# Altium PCB foxbms2-master.PcbDoc (part 7 of 11) (continued)
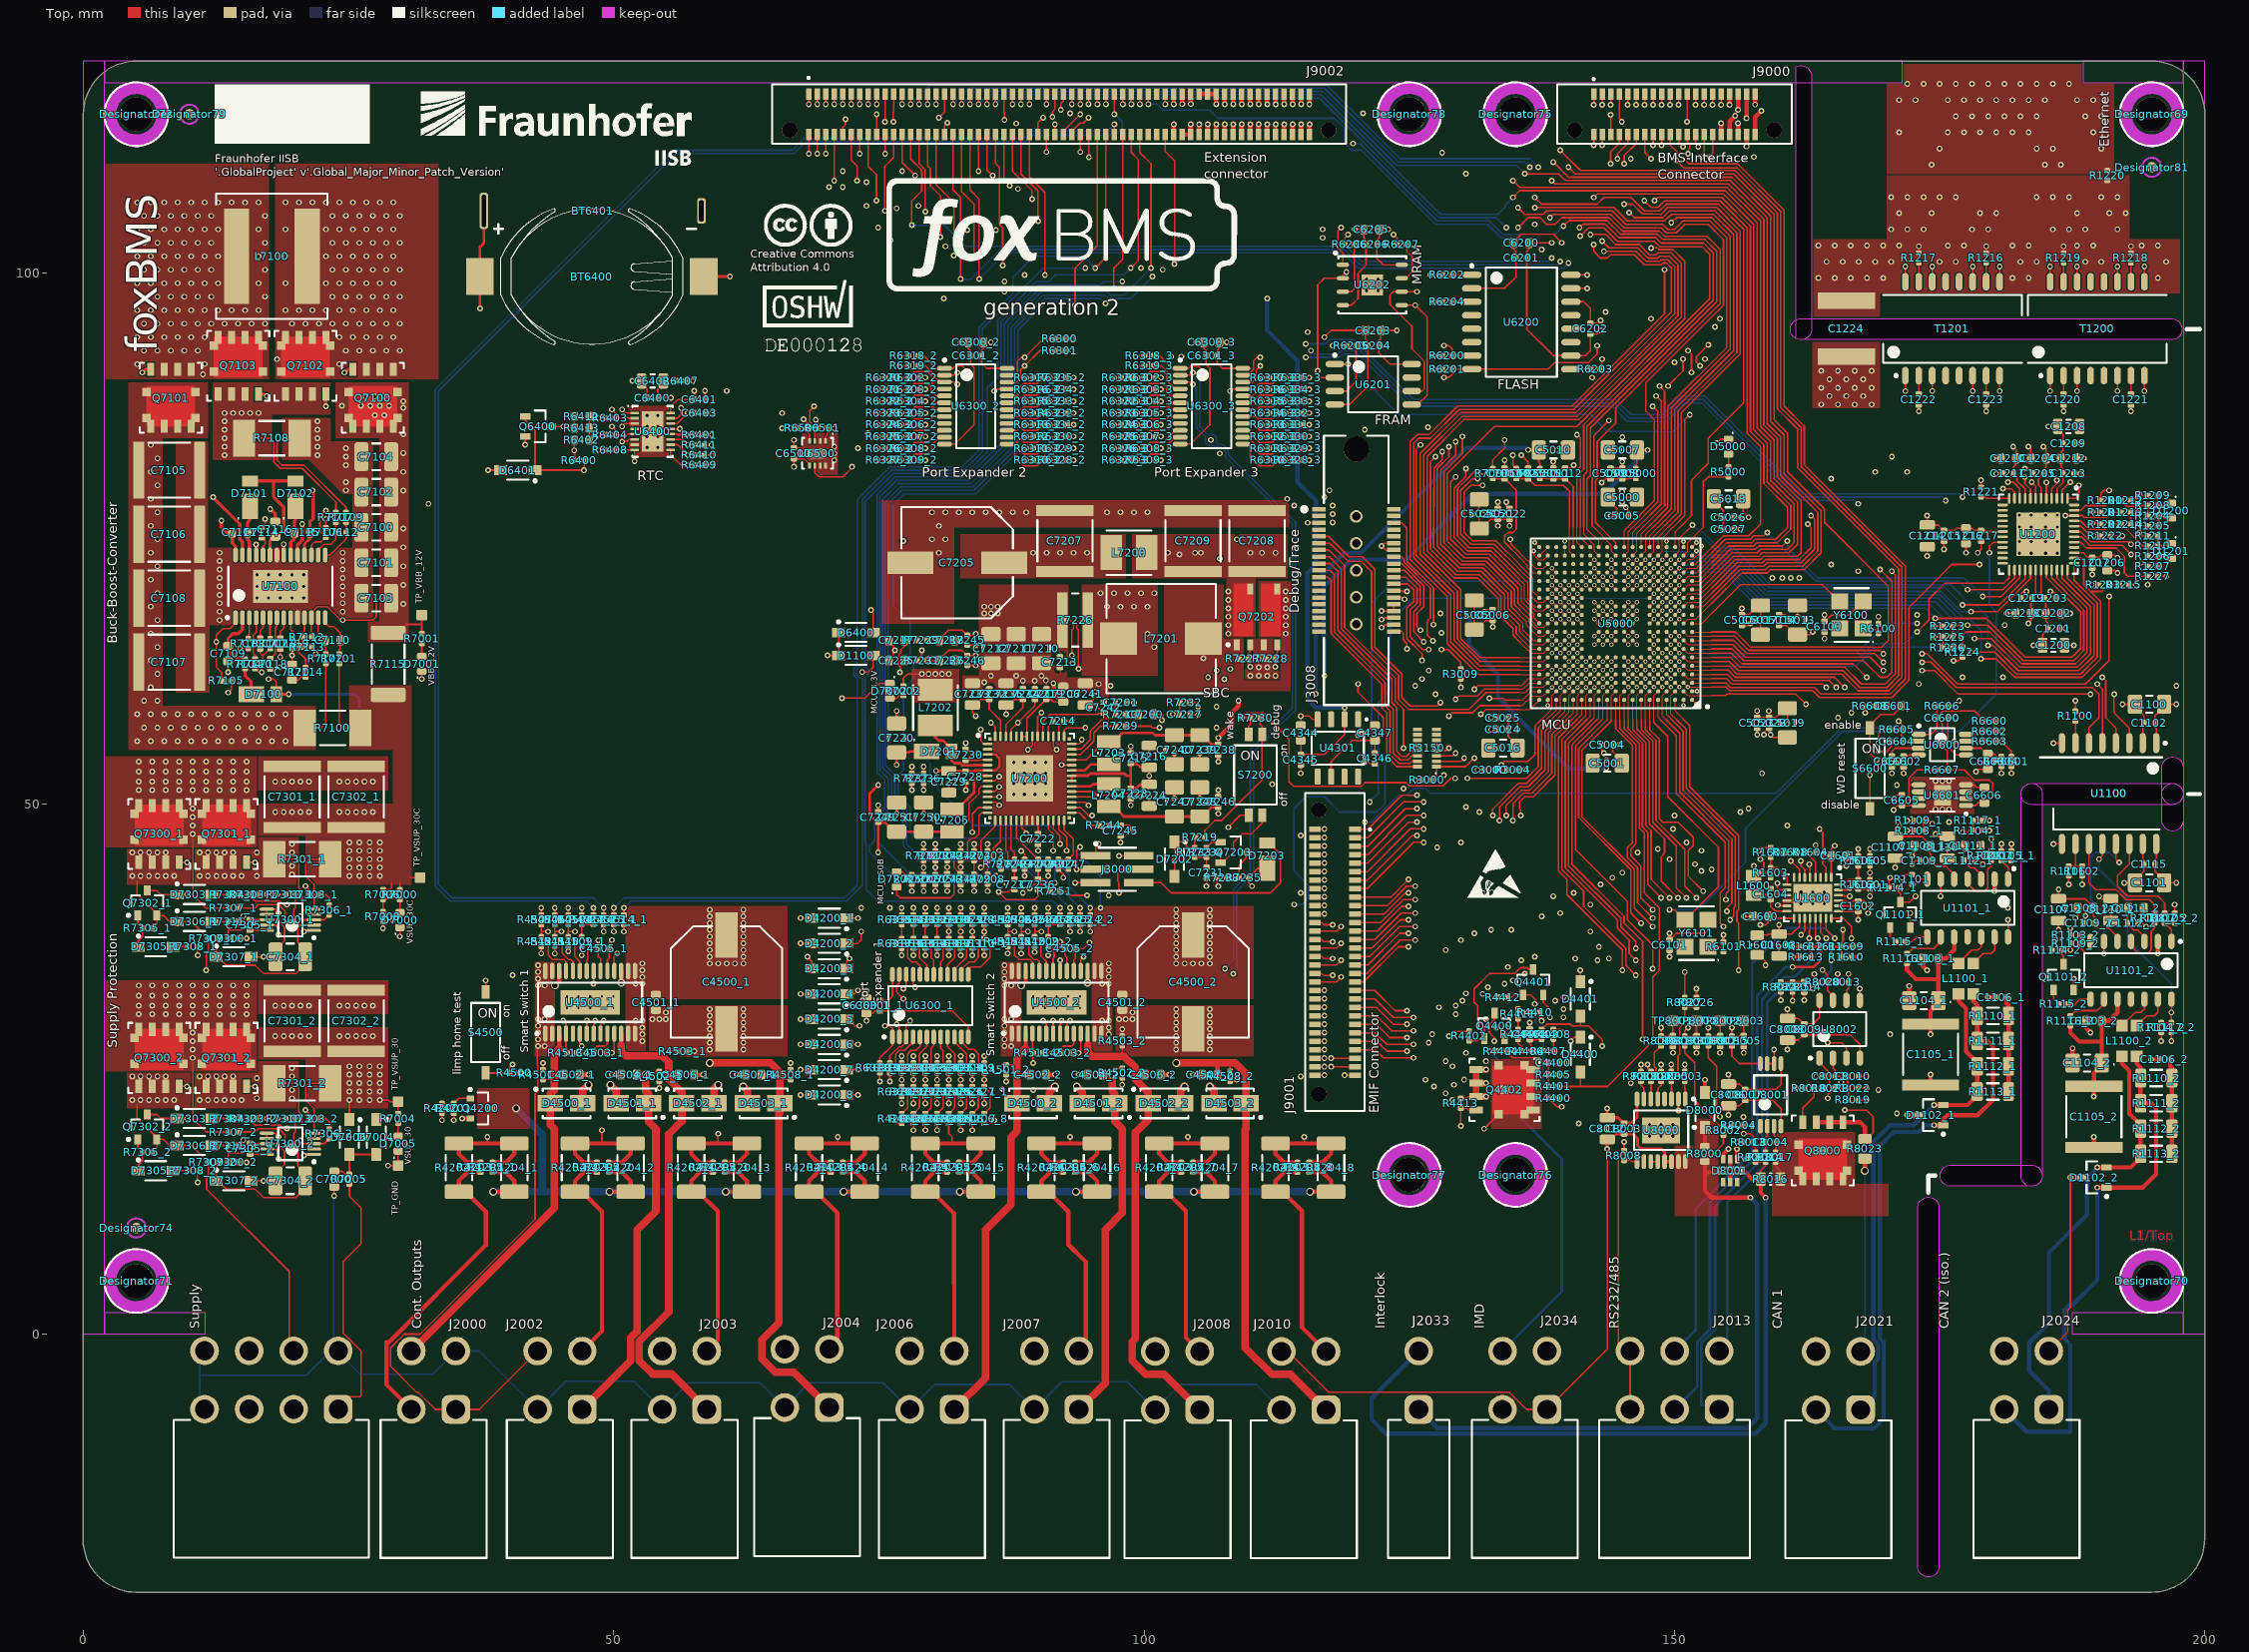
[diagram p0: Top view]
## Nets (pads, with @x,y where several pads share a name; then routed paths per layer and width w, separated by ;. In a path a pad name is that pad's centre, name@x,y a point inside that pad or via, vN(x,y) a via of type N, cw(c..) or ccw(c..) an arc to the next point about the centre after c; other vN are vias at no path point) (continued)
MCU_EMIF.ADDR14: J9001.31 U5000.C12 | length 41.8
  Top w0.102: v4(142.463,60.96) 142.463,60.992 U5000.C12@142.863,61.392
  Top w0.152: J9001.31@119.9,35.6 121.266,35.6 124.084,38.417 v1(125.565,38.417)
  Int3 (Sig) w0.152: v1(125.565,38.417) 132.398,38.417 v1(132.715,38.1)
  Int1 (Sig) w0.102: v4(142.463,60.96) 142.463,60.261 142.716,60.008 142.716,57.944
  Int1 (Sig) w0.152: v1(132.715,38.1) 132.715,38.735 135.414,41.434 135.414,43.18 142.716,50.482 142.716,57.944
MCU_EMIF.ADDR15: J9001.32 U5000.C13 | length 50.9
  Top w0.102: v4(141.663,60.96) 141.663,60.992 U5000.C13@142.062,61.392
  Top w0.152: J9001.32@116.1,35.6 116.752,35.6 116.95,35.401 v1(117.792,35.401)
  Int3 (Sig) w0.152: v1(117.792,35.401) 118.269,35.877 120.015,35.877 123.825,32.067 130.314,32.067 v1(130.353,32.106)
  Int1 (Sig) w0.102: v4(141.663,60.96) 141.663,60.109 142.081,59.69 142.081,57.944
  Int1 (Sig) w0.152: v1(130.353,32.106) 130.295,32.106 130.016,32.385 130.016,34.449 131.762,36.195 131.762,38.735 134.779,41.751 134.779,43.497 142.081,50.8 142.081,57.944
MCU_EMIF.ADDR16: J9001.33 U5000.D14 | length 41.8
  Top w0.102: v4(140.863,61.793) U5000.D14@141.263,62.192
  Top w0.152: J9001.33@119.9,34.8 121.107,34.8 124.09,37.782 v1(124.936,37.782)
  Int3 (Sig) w0.152: v1(124.936,37.782) v1(131.127,37.782)
  Int1 (Sig) w0.102: v4(140.863,61.793) 141.285,61.37 141.285,60.067 141.764,59.589 141.764,57.944
  Int1 (Sig) w0.152: v1(131.127,37.782) 131.127,38.576 134.461,41.91 134.461,43.656 141.764,50.959 141.764,57.944
MCU_EMIF.ADDR17: J9001.34 U5000.C14 | length 51
  Top w0.102: v4(140.863,60.96) 140.863,60.992 U5000.C14@141.263,61.392
  Top w0.152: J9001.34@116.1,34.8 118.144,34.8 v1(118.586,35.242)
  Int3 (Sig) w0.152: v1(118.586,35.242) 120.174,35.242 120.616,34.8 123.72,31.813 123.783,31.75 129.699,31.75 v1(130.016,31.432)
  Int1 (Sig) w0.102: v4(140.863,60.96) 140.863,60.115 141.446,59.531 141.446,57.944
  Int1 (Sig) w0.152: v1(130.016,31.432) 129.699,31.75 129.699,34.608 130.493,35.401 130.493,38.417 134.144,42.069 134.144,43.815 141.446,51.117 141.446,57.944
MCU_EMIF.ADDR18: J9001.35 U5000.D15 | length 41.6
  Top w0.102: v4(140.063,61.793) U5000.D15@140.463,62.192
  Top w0.152: J9001.35@119.9,34 120.995,34 124.142,37.148 v1(125.565,37.148)
  Int3 (Sig) w0.152: v1(125.565,37.148) v1(129.857,37.148)
  Int1 (Sig) w0.102: v4(140.063,61.793) 140.485,61.37 140.485,60.016 141.129,59.372 141.129,57.944
  Int1 (Sig) w0.152: v1(129.857,37.148) 129.857,38.259 133.826,42.227 133.826,43.974 141.129,51.276 141.129,57.944
MCU_EMIF.ADDR19: J9001.36 U5000.C15 | length 50.9
  Top w0.102: v4(140.063,60.96) 140.063,60.992 U5000.C15@140.463,61.392
  Top w0.152: J9001.36@116.1,34 116.752,34 116.938,33.814 v1(117.792,33.814)
  Int3 (Sig) w0.152: v1(117.792,33.814) 118.269,34.29 120.65,34.29 120.94,34 123.561,31.496 123.625,31.432 128.905,31.432 v1(129.381,30.956)
  Int1 (Sig) w0.102: v4(140.063,60.96) 140.063,59.962 140.863,59.162 140.863,57.944
  Int1 (Sig) w0.152: v1(129.381,30.956) 129.381,36.512 129.064,36.83 129.064,37.941 133.509,42.386 133.509,44.133 140.863,51.486 140.863,57.944
MCU_EMIF.ADDR20: J9001.37 U5000.C16 | length 41
  Top w0.102: v4(139.263,60.96) 139.263,60.992 U5000.C16@139.663,61.392
  Top w0.152: J9001.37@119.9,33.2 120.671,33.2 123.984,36.512 v1(124.936,36.512)
  Int3 (Sig) w0.152: v1(124.936,36.512) 128.111,36.512 v1(128.429,36.195)
  Int1 (Sig) w0.102: v4(139.263,60.96) 139.263,59.81 140.335,58.737 140.335,57.944
  Int1 (Sig) w0.152: v1(128.429,36.195) 128.111,36.512 128.111,39.688 140.335,51.911 140.335,57.944
MCU_EMIF.ADDR21: J9001.38 U5000.C17 | length 49.5
  Top w0.102: v4(138.463,60.96) 138.463,60.992 U5000.C17@138.863,61.392
  Top w0.152: J9001.38@116.1,33.2 118.131,33.2 v1(118.586,33.655)
  Int3 (Sig) w0.152: v1(118.586,33.655) 120.809,33.655 123.349,31.115 127.476,31.115 v1(127.794,30.797)
  Int1 (Sig) w0.102: v4(138.463,60.96) 138.463,59.696 139.7,58.458 139.7,57.944
  Int1 (Sig) w0.152: v1(127.794,30.797) 127.476,31.115 127.476,40.005 139.7,52.229 139.7,57.944
MCU_EMIF.BA0_1: J9001.39 U5000.E13 | length 49.4
  Top w0.102: v3(141.663,62.593) U5000.E13@142.062,62.993
  Top w0.152: J9001.39@119.9,32.4 121.746,32.4 123.666,30.48 v1(124.777,30.48)
  Int3 (Sig) w0.152: v1(124.777,30.48) 127,30.48 127.317,30.162 v1(129.381,30.162)
  Int1 (Sig) w0.102: v3(141.663,62.593) 142.081,62.174 142.081,60.166 142.399,59.849 142.399,57.944
  Int1 (Sig) w0.152: v1(129.381,30.162) 129.857,30.162 130.969,31.274 130.969,34.925 132.08,36.036 132.08,38.576 135.096,41.593 135.096,43.339 142.399,50.641 142.399,57.944
MCU_EMIF.BA1_1: J9001.40 U5000.D16 | length 59.3
  Top w0.102: v3(139.263,61.793) U5000.D16@139.663,62.192
  Top w0.152: J9001.40@116.1,32.4 v1(116.999,32.4)
  Int3 (Sig) w0.152: v1(116.999,32.4) 124.316,25.082 128.797,25.082 128.956,25.241 v1(129.064,25.241)
  Int1 (Sig) w0.102: v3(139.263,61.793) 139.685,61.37 139.685,59.864 140.609,58.94 140.609,57.944
  Int1 (Sig) w0.152: v1(129.064,25.241) 129.381,25.559 129.381,29.21 128.746,29.845 128.746,34.29 129.006,34.55 129.006,36.411 128.746,36.671 128.746,38.1 133.191,42.545 133.191,44.291 140.609,51.709 140.609,57.944
MCU_EMIF.CKE_1: J9001.41 U5000.L3 | length 68.7
  Top w0.102: U5000.L3@150.063,67.792 v3(150.463,68.192)
  Top w0.152: J9001.41@119.9,31.6 121.753,31.6 123.507,29.845 v1(125.412,29.845)
  Int3 (Sig) w0.152: v1(125.412,29.845) 128.588,29.845 129.064,29.369 130.016,29.369 130.334,29.686 v1(132.239,29.686)
  Int1 (Sig) w0.102: v3(150.463,68.192) 151.283,68.192 153.511,65.964
  Int1 (Sig) w0.152: v1(132.239,29.686) 132.239,30.162 134.144,32.067 135.414,32.067 137.795,34.449 137.795,36.036 141.287,39.529 142.558,39.529 146.844,43.815 150.495,43.815 151.606,44.926 152.876,44.926 153.511,45.561 153.511,56.197 155.099,57.785 155.099,64.376 153.511,65.964
MCU_EMIF.CLK_1: J9001.42 U5000.K3 | length 77.5
  Top w0.102: U5000.K3@150.063,66.992 v3(150.463,67.392)
  Top w0.152: J9001.42@116.1,31.6 v1(116.999,31.6)
  Int3 (Sig) w0.152: v1(116.999,31.6) 123.992,24.606 127.635,24.606 127.794,24.447 129.699,24.447 v1(130.17,23.976)
  Int1 (Sig) w0.102: v3(150.463,67.392) 151.206,67.392 153.511,65.087
  Int1 (Sig) w0.152: v1(130.17,23.976) 130.696,24.502 130.696,25.445 131.286,26.035 131.286,26.987 130.651,27.622 130.651,29.051 133.985,32.385 135.255,32.385 137.477,34.608 137.477,36.195 141.129,39.846 142.399,39.846 146.685,44.133 150.336,44.133 152.876,46.672 152.876,56.515 154.464,58.102 154.464,64.135 153.511,65.087
MCU_EMIF.DATA0: J9001.1 U5000.K15 | length 40.3
  Top w0.102: v3(140.063,67.392) U5000.K15@140.463,66.992
  Top w0.152: J9001.1@119.9,47.6 121.101,47.6 124.301,50.8 v1(125.73,50.8)
  Int3 (Sig) w0.152: v1(125.73,50.8) 130.016,50.8 v1(131.604,49.212)
  Int1 (Sig) w0.102: 139.382,57.944 139.382,58.488 138.063,59.808 138.063,62.726 138.306,62.97 139.329,62.97 139.64,63.281 139.64,65.987 140.063,66.409 v3(140.063,67.392)
  Int1 (Sig) w0.152: v1(131.604,49.212) 131.921,49.53 136.525,49.53 139.382,52.387 139.382,57.944
MCU_EMIF.DATA1: J9001.2 U5000.L15 | length 46.2
  Top w0.102: v3(140.063,68.192) U5000.L15@140.463,67.792
  Top w0.152: J9001.2@116.1,47.6 v1(116.999,47.6)
  Int3 (Sig) w0.152: v1(116.999,47.6) 118.879,45.72 126.623,45.72 127.576,46.672 129.54,46.672 v1(129.857,46.355)
  Int1 (Sig) w0.102: 138.589,57.944 137.636,58.896 137.636,62.953 137.866,63.182 138.589,63.182 138.885,63.479 138.885,66.298 139.685,67.098 139.685,67.815 v3(140.063,68.192)
  Int1 (Sig) w0.152: v1(129.857,46.355) 129.857,48.26 131.445,49.847 136.366,49.847 139.065,52.546 139.065,57.468 138.589,57.944
MCU_EMIF.DATA2: J9001.3 U5000.M15 | length 40.6
  Top w0.102: v3(140.063,68.992) U5000.M15@140.463,68.592
  Top w0.152: J9001.3@119.9,46.8 121.095,46.8 124.46,50.165 v1(126.365,50.165)
  Int3 (Sig) w0.152: v1(126.365,50.165) 129.857,50.165 v1(130.334,49.689)
  Int1 (Sig) w0.102: 138.112,57.944 137.319,58.737 137.319,65.568 138.885,67.134 138.885,68.4 139.065,68.58 139.65,68.58 v3(140.063,68.992)
  Int1 (Sig) w0.152: v1(130.334,49.689) 130.81,50.165 136.207,50.165 138.748,52.705 138.748,57.309 138.112,57.944
MCU_EMIF.DATA3: J9001.4 U5000.N15 | length 48.1
  Top w0.102: v3(140.063,69.792) U5000.N15@140.463,69.393
  Top w0.152: J9001.4@116.1,46.8 v1(116.999,46.8)
  Int3 (Sig) w0.152: v1(116.999,46.8) 118.396,45.402 127.159,45.402 v1(127.635,45.879)
  Int1 (Sig) w0.102: 135.731,57.944 135.731,67.627 138.274,70.17 139.685,70.17 v3(140.063,69.792)
  Int1 (Sig) w0.152: v1(127.635,45.879) 127.635,49.689 129.699,51.752 135.414,51.752 137.16,53.499 137.16,56.356 135.731,57.785 135.731,57.944
MCU_EMIF.DATA4: J9001.5 U5000.E5 | length 48.8
  Top w0.102: U5000.E5@148.462,62.993 v3(148.862,62.593)
  Top w0.152: J9001.5@119.9,46 121.089,46 124.619,49.53 v1(125.73,49.53)
  Int3 (Sig) w0.152: v1(125.73,49.53) 129.54,49.53 130.493,48.578 131.127,48.578 132.08,47.625 148.749,47.625 v1(150.019,48.895)
  Int1 (Sig) w0.102: v3(148.862,62.593) 149.24,62.215 150.034,62.215 150.862,61.386 150.862,60.851 150.336,60.325 150.336,57.944
  Int1 (Sig) w0.152: v1(150.019,48.895) 150.336,49.212 150.336,57.944
MCU_EMIF.DATA5: J9001.6 U5000.F5 | length 54.1
  Top w0.102: U5000.F5@148.462,63.792 v3(148.862,63.392)
  Top w0.152: J9001.6@116.1,46 v1(116.999,46)
  Int3 (Sig) w0.152: v1(116.999,46) 117.914,45.085 146.209,45.085 v1(146.526,45.402)
  Int1 (Sig) w0.102: v3(148.862,63.392) 149.24,63.015 150.574,63.015 151.663,61.926 151.663,58.794 150.812,57.944
  Int1 (Sig) w0.152: v1(146.526,45.402) 149.384,48.26 150.336,48.26 150.654,48.578 150.654,57.785 150.812,57.944
MCU_EMIF.DATA6: J9001.7 U5000.G5 | length 53
  Top w0.102: U5000.G5@148.462,64.592 v3(148.862,64.193)
  Top w0.152: J9001.7@119.9,45.2 121.082,45.2 124.777,48.895 v1(126.365,48.895)
  Int3 (Sig) w0.152: v1(126.365,48.895) 129.699,48.895 130.334,48.26 130.969,48.26 131.921,47.307 148.907,47.307 149.225,47.625 v1(149.86,47.625)
  Int1 (Sig) w0.102: v3(148.862,64.193) 149.24,63.815 150.574,63.815 152.559,61.83 152.559,59.055 151.447,57.944
  Int1 (Sig) w0.152: v1(149.86,47.625) 150.177,47.942 150.495,47.942 150.971,48.419 150.971,57.468 151.447,57.944
MCU_EMIF.DATA7: J9001.8 U5000.K5 | length 62.6
  Top w0.102: U5000.K5@148.462,66.992 v3(148.862,67.392)
  Top w0.152: J9001.8@116.1,45.2 v1(116.999,45.2)
  Int3 (Sig) w0.152: v1(116.999,45.2) 117.431,44.767 v1(149.542,44.767)
  Int1 (Sig) w0.102: v3(148.862,67.392) 149.421,66.834 151.289,66.834 153.511,64.611
  Int1 (Sig) w0.152: v1(149.542,44.767) 150.495,44.767 152.559,46.831 152.559,56.674 154.146,58.261 154.146,63.976 153.511,64.611
MCU_EMIF.DATA8: J9001.9 U5000.L5 | length 64.3
  Top w0.102: U5000.L5@148.462,67.792 v3(148.862,68.192)
  Top w0.152: J9001.9@119.9,44.4 121.076,44.4 124.936,48.26 v1(125.73,48.26)
  Int3 (Sig) w0.152: v1(125.73,48.26) 129.857,48.26 130.175,47.942 130.81,47.942 131.762,46.99 150.019,46.99 150.495,47.466 151.924,47.466 152.559,46.831 v1(152.559,45.561)
  Int1 (Sig) w0.102: v3(148.862,68.192) 149.269,67.786 151.289,67.786 153.511,65.564
  Int1 (Sig) w0.152: v1(152.559,45.561) 153.194,46.196 153.194,56.356 154.781,57.944 154.781,64.294 153.511,65.564
MCU_EMIF.DATA9: J9001.10 U5000.M5 | length 67.1
  Top w0.102: U5000.M5@148.462,68.592 v3(148.862,68.992)
  Top w0.152: J9001.10@116.1,44.4 v1(116.999,44.4)
  Int3 (Sig) w0.152: v1(116.999,44.4) 117.049,44.45 148.907,44.45 149.225,44.133 150.019,44.133 150.177,44.291 v1(151.924,44.291)
  Int1 (Sig) w0.102: v3(148.862,68.992) 149.285,68.57 151.299,68.57 153.511,66.358
  Int1 (Sig) w0.152: v1(151.924,44.291) 152.718,44.291 153.829,45.402 153.829,56.039 155.416,57.626 155.416,64.453 153.511,66.358
MCU_EMIF.DATA10: J9001.11 U5000.N5 | length 69.6
  Top w0.102: U5000.N5@148.462,69.393 v3(148.862,69.792)
  Top w0.152: J9001.11@119.9,43.6 121.07,43.6 125.095,47.625 v1(126.365,47.625)
  Int3 (Sig) w0.152: v1(126.365,47.625) 130.651,47.625 131.604,46.672 150.177,46.672 150.654,47.149 151.377,47.149 151.924,46.602 151.924,45.244 152.559,44.609 v1(152.559,43.656)
  Int1 (Sig) w0.102: v3(148.862,69.792) 149.285,69.37 150.975,69.37 153.511,66.834
  Int1 (Sig) w0.152: v1(152.559,43.656) 154.146,45.244 154.146,55.88 155.734,57.468 155.734,64.611 153.511,66.834
MCU_EMIF.DATA11: J9001.12 U5000.P5 | length 70.7
  Top w0.102: U5000.P5@148.462,70.192 v3(148.862,70.592)
  Top w0.152: J9001.12@116.1,43.6 v1(116.999,43.6)
  Int3 (Sig) w0.152: v1(116.999,43.6) 117.531,44.133 148.749,44.133 149.066,43.815 151.447,43.815 152.241,43.021 152.718,43.021 v1(153.511,43.815)
  Int1 (Sig) w0.102: v3(148.862,70.592) 149.285,70.17 150.81,70.17 153.511,67.469
  Int1 (Sig) w0.152: v1(153.511,43.815) 154.464,44.767 154.464,55.721 156.051,57.309 156.051,64.929 153.511,67.469
MCU_EMIF.DATA12: J9001.13 U5000.R5 | length 64
  Top w0.102: U5000.R5@148.462,70.992 v3(148.862,71.392)
  Top w0.152: J9001.13@119.9,42.8 121.064,42.8 125.254,46.99 v1(125.73,46.99)
  Int3 (Sig) w0.152: v1(125.73,46.99) 126.682,46.99 127,47.307 130.493,47.307 131.445,46.355 v1(151.13,46.355)
  Int1 (Sig) w0.102: v3(148.862,71.392) 148.44,70.97 148.44,66.825 148.749,66.516 151.13,66.516 153.511,64.135 ; 153.352,57.944 153.511,58.102
  Int1 (Sig) w0.152: v1(151.13,46.355) 152.241,47.466 152.241,56.832 153.352,57.944 ; 153.511,58.102 153.829,58.42 153.829,63.817 153.511,64.135
MCU_EMIF.DATA13: J9001.14 U5000.R6 | length 67.2
  Top w0.102: U5000.R6@147.663,70.992 v3(148.063,71.392)
  Top w0.152: J9001.14@116.1,42.8 v1(116.999,42.8)
  Int3 (Sig) w0.152: v1(116.999,42.8) 118.014,43.815 144.78,43.815 v1(145.097,43.497)
  Int1 (Sig) w0.102: v3(148.063,71.392) 147.64,70.97 147.64,66.514 147.955,66.199 150.926,66.199 153.511,63.614 ; 152.876,57.944 153.511,58.579
  Int1 (Sig) w0.152: v1(145.097,43.497) 146.05,44.45 148.431,44.45 151.924,47.942 151.924,56.991 152.876,57.944 ; 153.511,58.579 153.511,63.614
MCU_EMIF.DATA14: J9001.15 U5000.R7 | length 64.8
  Top w0.102: U5000.R7@146.863,70.992 v3(147.262,71.392)
  Top w0.152: J9001.15@119.9,42 121.057,42 125.412,46.355 v1(126.365,46.355)
  Int3 (Sig) w0.152: v1(126.365,46.355) 126.841,46.355 127.476,46.99 130.334,46.99 131.286,46.038 148.114,46.038 v1(148.431,45.72)
  Int1 (Sig) w0.102: v3(147.262,71.392) 146.844,70.974 146.844,65.564 147.002,65.405 150.812,65.405 153.194,63.024 153.194,58.737 152.4,57.944
  Int1 (Sig) w0.152: v1(148.431,45.72) 149.066,46.355 149.86,46.355 151.606,48.101 151.606,57.15 152.4,57.944
MCU_EMIF.DATA15: J9001.16 U5000.R8 | length 68.3
  Top w0.102: U5000.R8@146.063,70.992 v3(146.463,71.392)
  Top w0.152: J9001.16@116.1,42 v1(116.999,42)
  Int3 (Sig) w0.152: v1(116.999,42) 118.496,43.497 143.669,43.497 v1(144.145,43.021)
  Int1 (Sig) w0.102: v3(146.463,71.392) 146.05,70.98 146.05,64.871 146.31,64.611 150.577,64.611 152.876,62.312 152.876,58.896 151.924,57.944
  Int1 (Sig) w0.152: v1(144.145,43.021) 144.145,43.456 145.457,44.767 146.685,44.767 148.59,46.672 149.701,46.672 151.289,48.26 151.289,57.309 151.924,57.944
MCU_EPWM1.A_1: J9002.51 U5000.D9 | length 99.7
  Top w0.102: U5000.D9@145.263,62.192 v3(145.663,61.793)
  Top w0.152: v1(88.4,115.947) J9002.51@88.4,116.9
  Int1 (Sig) w0.102: 140.653,76.041 143.263,73.431 143.263,72.955 143.648,72.57 144.219,72.57 144.621,72.167 144.621,62.834 v3(145.663,61.793)
  Int1 (Sig) w0.152: v1(88.4,115.947) 89.61,117.157 116.681,117.157 123.19,110.649 126.047,110.649 134.62,102.076 134.62,87.154 137.795,83.979 137.795,78.899 140.653,76.041
MCU_EPWM1.B_1: J9002.52 U5000.D10 | length 97.8
  Top w0.102: v3(144.063,61.793) U5000.D10@144.463,62.192
  Top w0.152: J9002.52@88.4,113.1 88.4,109.36 89.997,107.763 89.997,104.948 v1(90.011,104.934)
  Int4 (Sig) w0.102: 135.731,76.041 135.731,64.611 138.139,62.203 143.652,62.203 v3(144.063,61.793)
  Int4 (Sig) w0.152: v1(90.011,104.934) 90.309,105.232 122.892,105.232 132.398,95.726 132.398,81.756 135.731,78.422 135.731,76.041
MCU_ETM.CLKIN_1: R3009.1 U5000.R9 | length 26.6
  Top w0.102: U5000.R9@145.263,70.992 v3(145.663,71.392)
  Top w0.152: v1(128.033,64.533) 128.666,64.533 129.857,63.341 R3009.1@129.857,62.68
  Int3 (Sig) w0.102: 135.414,64.611 136.684,64.611 138.271,66.199 144.145,66.199 144.463,66.516 144.463,70.192 v3(145.663,71.392)
  Int3 (Sig) w0.152: v1(128.033,64.533) 128.033,64.531 128.588,63.976 133.985,63.976 134.62,64.611 135.414,64.611
MCU_ETM.CLKOUT_1: J3008.6 U5000.R10 | length 35.9
  Top w0.102: v3(144.063,71.392) U5000.R10@144.463,70.992
  Top w0.152: J3008.6@123.53,76.48 124.267,76.48 124.777,75.969 124.777,72.866 127.283,70.36 v1(127.283,66.88)
  Int3 (Sig) w0.102: 135.414,64.929 136.684,64.929 138.271,66.516 143.466,66.516 143.669,66.719 143.669,70.999 v3(144.063,71.392)
  Int3 (Sig) w0.152: v1(127.283,66.88) 127.283,66.074 129.064,64.294 133.826,64.294 134.461,64.929 135.414,64.929
MCU_ETM.CTL_1: J3008.36 U5000.R11 | length 28.9
  Top w0.102: v3(143.263,71.392) U5000.R11@143.663,70.992
  Top w0.152: v1(122.396,66.591) 122.427,66.591 122.716,66.88 J3008.36@123.53,66.88
  Int3 (Sig) w0.102: 135.414,65.246 136.525,65.246 138.112,66.834 142.716,66.834 142.875,66.992 142.875,71.005 v3(143.263,71.392)
  Int3 (Sig) w0.152: v1(128.033,66.108) 128.043,66.108 129.54,64.611 133.604,64.611 134.239,65.246 135.414,65.246
  Int1 (Sig) w0.152: v1(122.396,66.591) 125.333,66.591 125.662,66.92 126.279,66.92 127.09,66.108 v1(128.033,66.108)
MCU_ETM.DATA0_1: J3008.38 U5000.R12 | length 28.2
  Top w0.102: v3(142.463,71.392) U5000.R12@142.863,70.992
  Top w0.152: J3008.38@123.53,66.24 124.267,66.24 124.442,66.065 124.442,65.423 124.777,65.087 v1(124.777,64.611)
  Int3 (Sig) w0.102: 135.414,65.564 136.049,65.564 138.271,67.786 141.764,67.786 142.081,68.104 142.081,71.011 v3(142.463,71.392)
  Int3 (Sig) w0.152: v1(124.777,64.611) 124.777,65.872 126.34,67.434 127.513,67.434 127.889,67.059 127.889,67.056 130.016,64.929 133.35,64.929 133.985,65.564 135.414,65.564
MCU_ETM.DATA1_1: J3008.28 U5000.R13 | length 24.3
  Top w0.102: v3(141.663,71.392) U5000.R13@142.062,70.992
  Top w0.152: J3008.28@123.53,69.44 124.287,69.44 124.442,69.285 v1(124.549,69.285)
  Int3 (Sig) w0.102: 135.414,65.818 135.509,65.818 138.271,68.58 141.129,68.58 141.287,68.739 141.287,70.168 141.285,70.17 141.285,71.015 v3(141.663,71.392)
  Int3 (Sig) w0.152: v1(127.953,67.945) 130.651,65.246 133.191,65.246 133.763,65.818 135.414,65.818
  Int1 (Sig) w0.152: v1(124.549,69.285) 126.613,69.285 v1(127.953,67.945)
MCU_ETM.DATA2_1: J3008.26 U5000.J15 | length 25.2
  Top w0.102: v3(140.063,65.792) U5000.J15@140.463,66.192
  Top w0.152: J3008.26@123.53,70.08 124.267,70.08 124.338,70.009 v1(124.777,70.009) v1@124.706,70.08
  Int3 (Sig) w0.102: 135.414,64.294 137.16,64.294 138.271,65.405 139.675,65.405 v3(140.063,65.792)
  Int3 (Sig) w0.152: v1(124.777,70.009) 124.701,69.933 124.413,69.933 123.984,69.503 123.984,64.621 124.548,64.057 126.433,64.057 126.514,63.976 128.111,63.976 128.429,63.659 134.144,63.659 134.779,64.294 135.414,64.294
MCU_ETM.DATA3_1: J3008.24 U5000.H15 | length 24.8
  Top w0.102: v3(140.063,64.992) U5000.H15@140.463,65.392
  Top w0.152: J3008.24@123.53,70.72 124.86,70.72 125.412,70.168 125.412,69.056 124.777,68.421 124.777,65.564 126.206,64.135 v1(126.206,63.5)
  Int3 (Sig) w0.102: 135.414,63.976 137.477,63.976 138.071,64.57 139.64,64.57 v3(140.063,64.992)
  Int3 (Sig) w0.152: v1(126.206,63.5) 128.111,63.5 128.27,63.341 134.302,63.341 134.938,63.976 135.414,63.976
MCU_ETM.DATA4_1: J3008.22 U5000.G15 | length 26.5
  Top w0.102: v3(140.063,64.193) U5000.G15@140.463,64.592
  Top w0.152: J3008.22@123.53,71.36 124.696,71.36 125.73,70.326 125.73,68.897 125.095,68.263 125.095,65.722 126.284,64.533 v1(126.841,64.533)
  Int3 (Sig) w0.102: 135.414,63.659 139.529,63.659 v3(140.063,64.193)
  Int3 (Sig) w0.152: v1(126.841,62.547) 127.159,62.23 128.111,62.23 128.969,63.087 134.525,63.087 135.096,63.659 135.414,63.659
  Int1 (Sig) w0.152: v1(126.841,62.547) v1(126.841,64.533)
MCU_ETM.DATA5_1: J3008.20 U5000.F15 | length 28.2
  Top w0.102: v3(140.063,63.392) U5000.F15@140.463,63.792
  Top w0.152: J3008.20@123.53,72 124.532,72 126.047,70.485 126.047,68.739 125.412,68.104 125.412,66.199 v1(126.365,65.246)
  Int3 (Sig) w0.102: 135.414,63.392 v3(140.063,63.392)
  Int3 (Sig) w0.152: v1(126.206,61.754) 128.111,61.754 129.064,62.706 134.62,62.706 135.306,63.392 135.414,63.392
  Int1 (Sig) w0.152: v1(126.206,61.754) 125.652,62.308 125.652,64.533 v1(126.365,65.246)
MCU_ETM.DATA6_1: J3008.18 U5000.E15 | length 30.2
  Top w0.102: v3(140.063,62.593) U5000.E15@140.463,62.993
  Top w0.152: J3008.18@123.53,72.64 124.285,72.64 126.365,70.56 126.365,68.58 125.73,67.945 125.73,66.675 v1(126.047,66.358)
  Int3 (Sig) w0.102: 135.414,63.024 139.631,63.024 v3(140.063,62.593)
  Int3 (Sig) w0.152: v1(125.571,61.119) 127.953,61.119 129.222,62.389 134.779,62.389 135.414,63.024
  Int1 (Sig) w0.152: v1(125.571,61.119) 125.526,61.164 125.526,61.64 125.334,61.832 125.334,66.03 125.662,66.358 v1(126.047,66.358)
MCU_ETM.DATA7_1: J3008.16 U5000.E14 | length 30.2
  Top w0.102: v3(140.863,62.593) U5000.E14@141.263,62.993
  Top w0.152: J3008.16@123.53,73.28 124.267,73.28 124.523,73.023 124.523,72.761 127,70.285 127,67.52 126.682,67.202 126.682,65.891 v1(127.226,65.348)
  Int3 (Sig) w0.102: 135.414,62.215 140.485,62.215 v3(140.863,62.593)
  Int3 (Sig) w0.152: v1(127.476,60.325) 127.518,60.325 129.264,62.071 134.938,62.071 135.081,62.215 135.414,62.215
  Int1 (Sig) w0.152: v1(127.226,65.348) 127.226,64.933 127.479,64.68 127.479,60.327 v1(127.476,60.325)
MCU_FRAY1.RX_1: J9002.27 U5000.A15 | length 129.5
  Top w0.102: 139.859,57.944 140.463,58.548 U5000.A15@140.463,59.792
  Top w0.152: v1(78.8,115.947) J9002.27@78.8,116.9 ; v1(134.779,48.419) 134.779,50.006 135.731,50.959 136.525,50.959 138.43,52.864 138.43,56.515 139.859,57.944
  Int3 (Sig) w0.152: v1(78.74,106.362) 79.216,106.839 79.216,114.829 78.8,115.245 v1(78.8,115.947)
  Int4 (Sig) w0.152: v1(78.74,106.362) 82.867,106.362 83.998,105.232 88.919,105.232 89.852,104.299 90.329,104.299 90.964,104.934 113.506,104.934 117.316,101.124 122.079,101.124 124.936,98.266 124.936,82.391 134.62,72.707 134.62,56.515 135.255,55.88 135.255,49.689 134.779,49.212 v1(134.779,48.419)
MCU_FRAY1.TX_1: J9002.28 U5000.B15 | length 125.1
  Top w0.102: 139.382,57.944 140.063,58.624 140.063,60.193 U5000.B15@140.463,60.593
  Top w0.152: J9002.28@78.8,113.1 78.8,110.331 79.375,109.756 v1(79.375,105.808) ; v1(134.144,48.895) 134.144,49.847 135.572,51.276 136.366,51.276 138.112,53.023 138.112,56.674 139.382,57.944
  Int4 (Sig) w0.152: v1(79.375,105.808) 82.809,105.808 83.684,104.934 88.644,104.934 89.597,103.981 90.487,103.981 91.123,104.616 113.347,104.616 117.157,100.806 121.92,100.806 124.619,98.108 124.619,82.233 134.302,72.549 134.302,56.356 134.938,55.721 134.938,50.165 134.144,49.371 v1(134.144,48.895)
MCU_FRAY1.TXEN_1: J9002.29 U5000.B16 | length 125
  Top w0.102: 138.43,57.944 139.263,58.776 139.263,60.193 U5000.B16@139.663,60.593
  Top w0.152: v1(79.6,115.947) J9002.29@79.6,116.9 ; v1(132.874,48.895) 132.874,49.504 135.281,51.911 136.049,51.911 137.477,53.34 137.477,56.991 138.43,57.944
  Int3 (Sig) w0.152: v1(79.6,115.947) 79.6,110.265 80.169,109.696 v1(80.169,105.251)
  Int4 (Sig) w0.152: v1(80.169,105.251) 82.89,105.251 83.525,104.616 88.325,104.616 89.277,103.664 90.805,103.664 91.44,104.299 113.189,104.299 124.301,93.186 124.301,81.597 133.667,72.231 133.667,56.356 132.874,55.562 v1(132.874,48.895)
MCU_FRAY2.RX_1: J9002.30 U5000.A8 | length 152.2
  Top w0.102: 146.063,57.944 U5000.A8@146.063,59.792
  Top w0.152: J9002.30@79.6,113.1 79.6,110.132 79.851,109.881 79.851,108.267 80.804,107.315 v1(80.804,103.427) ; 146.063,57.944 146.063,56.998 147.32,55.741 147.32,47.942 147.796,47.466 147.796,42.862 v1(149.542,41.116)
  Int4 (Sig) w0.152: v1(80.804,103.427) 81.199,103.427 82.074,102.552 84.455,102.552 84.772,102.235 87.63,102.235 88.106,101.759 91.757,101.759 92.393,102.394 112.236,102.394 122.396,92.234 122.396,76.041 121.571,75.216 121.571,60.039 123.825,57.785 123.825,47.942 126.524,45.244 128.27,45.244 128.746,45.72 144.78,45.72 146.05,44.45 147.32,44.45 149.542,42.227 v1(149.542,41.116)
MCU_FRAY2.TX_1: J9002.31 U5000.B8 | length 156.6
  Top w0.102: 145.663,57.944 145.663,60.192 U5000.B8@146.063,60.593
  Top w0.152: v1(80.4,115.947) J9002.31@80.4,116.9 ; 145.663,57.944 145.663,57.039 145.866,56.836 147.002,55.699 147.002,47.784 147.479,47.307 147.479,42.386 v1(148.749,41.116)
  Int3 (Sig) w0.152: v1(80.4,115.947) 80.4,115.26 80.01,114.87 80.01,110.49 81.597,108.902 81.597,102.87 v1(81.28,102.552)
  Int4 (Sig) w0.152: v1(81.28,102.552) 81.597,102.235 84.296,102.235 84.614,101.917 87.471,101.917 87.947,101.441 91.916,101.441 92.551,102.076 112.078,102.076 122.079,92.075 122.079,76.2 121.317,75.438 121.317,59.817 123.507,57.626 123.507,47.834 126.415,44.926 128.429,44.926 128.905,45.402 144.621,45.402 145.891,44.133 147.161,44.133 148.749,42.545 v1(148.749,41.116)
MCU_FRAY2.TXEN_1: J9002.32 U5000.B9 | length 153.7
  Top w0.102: 144.867,57.944 144.867,60.197 U5000.B9@145.263,60.593
  Top w0.152: J9002.32@80.4,113.1 80.4,108.354 82.074,106.68 v1(82.074,101.681) ; 144.867,57.944 144.867,57.068 146.368,55.568 146.368,46.196 145.891,45.72 145.891,45.085 146.844,44.133 146.844,41.116 v1(147.955,40.005)
  Int4 (Sig) w0.152: v1@82.074,101.681 82.311,101.917 84.138,101.917 84.455,101.6 87.312,101.6 87.789,101.124 92.075,101.124 92.71,101.759 111.919,101.759 121.761,91.916 121.761,76.359 121.063,75.66 121.063,59.622 123.19,57.495 123.19,47.702 126.283,44.609 128.56,44.609 129.037,45.085 144.463,45.085 147.955,41.593 v1(147.955,40.005)
MCU_GIOA.0_1: U5000.A5 U7200.33 | length 112.2
  Top w0.102: U5000.A5@148.462,59.792 148.462,58.126 148.645,57.944
  Top w0.152: U7200.33@93.18,51.137 95.261,51.137 95.598,50.8 97.79,50.8 97.949,50.959 99.377,50.959 99.684,50.652 v1(99.69,50.652) ; 148.645,57.944 150.177,56.411 150.177,50.959 154.781,46.355 154.781,42.069 154.305,41.593 154.305,38.735 v1(154.623,38.417)
  Int3 (Sig) w0.152: v1(99.69,50.652) 101.448,48.895 106.309,48.895 106.705,48.499 107.237,48.499 110.014,51.276 122.555,51.276 127.159,55.88 130.651,55.88 132.239,54.292 135.731,54.292 137.795,52.229 157.639,52.229 v1(158.274,52.864)
  Int1 (Sig) w0.152: v1(154.623,38.417) 155.407,38.417 155.973,38.984 155.973,41.356 158.707,44.089 158.707,52.431 v1(158.274,52.864)
MCU_GIOA.2_1: J9000.20 U5000.C1 | length 84.4
  Top w0.102: U5000.C1@151.663,61.392 153.511,61.392
  Top w0.152: J9000.20@149.6,113.1 149.6,112.084 151.353,110.331 155.965,110.331 160.338,105.959 160.338,87.494 162.243,85.589 162.243,81.938 171.767,72.413 171.767,61.754 170.339,60.325 163.83,60.325 163.195,60.96 155.257,60.96 154.825,61.392 153.511,61.392
MCU_GIOA.3_1: J9000.21 U5000.E1 | length 88.1
  Top w0.102: U5000.E1@151.663,62.993 153.511,62.993
  Top w0.152: v1(150.177,110.649) 150.876,109.95 155.897,109.95 160.02,105.827 160.02,87.362 161.925,85.457 161.925,81.806 171.45,72.281 171.45,61.912 170.18,60.642 167.322,60.642 165.735,62.23 155.892,62.23 155.13,62.993 153.511,62.993 ; v1(150.4,115.887) J9000.21@150.4,116.9
  Int3 (Sig) w0.152: v1(150.177,110.649) 150.177,115.599 150.4,115.822 v1(150.4,115.887)
MCU_GIOA.4_1: J9000.22 U5000.A6 | length 136.3
  Top w0.102: 147.663,57.944 U5000.A6@147.663,59.792
  Top w0.152: 147.663,57.944 147.663,56.977 148.59,56.05 148.59,48.578 148.907,48.26 150.336,48.26 151.765,46.831 151.765,46.038 151.289,45.561 151.289,43.18 v1(152.718,41.751) ; J9000.22@150.4,113.1 150.4,112.331 v1(150.812,111.919)
  Int3 (Sig) w0.152: v1(150.812,111.919) 150.812,113.195 150.646,113.361 150.646,115.333 151.835,116.522 155.734,116.522 157.48,114.776 v1(157.48,110.966) ; v1(152.718,41.751) 153.352,41.751 158.591,46.99 168.434,46.99 170.339,48.895 170.365,48.895 170.427,48.834 170.886,48.834 170.947,48.895 171.642,48.895 cw(c171.926,48.419) 172.21,48.895 175.26,48.895 v1(175.895,48.26)
  Int1 (Sig) w0.152: v1(157.48,110.966) 157.797,110.649 157.797,93.027 158.909,91.916 158.909,84.772 173.831,69.85 173.831,65.246 175.006,64.072 175.006,55.943 173.99,54.927 173.99,49.177 174.392,48.774 175.381,48.774 v1(175.895,48.26)